# KiCad board skippy 2.kicad_pcb
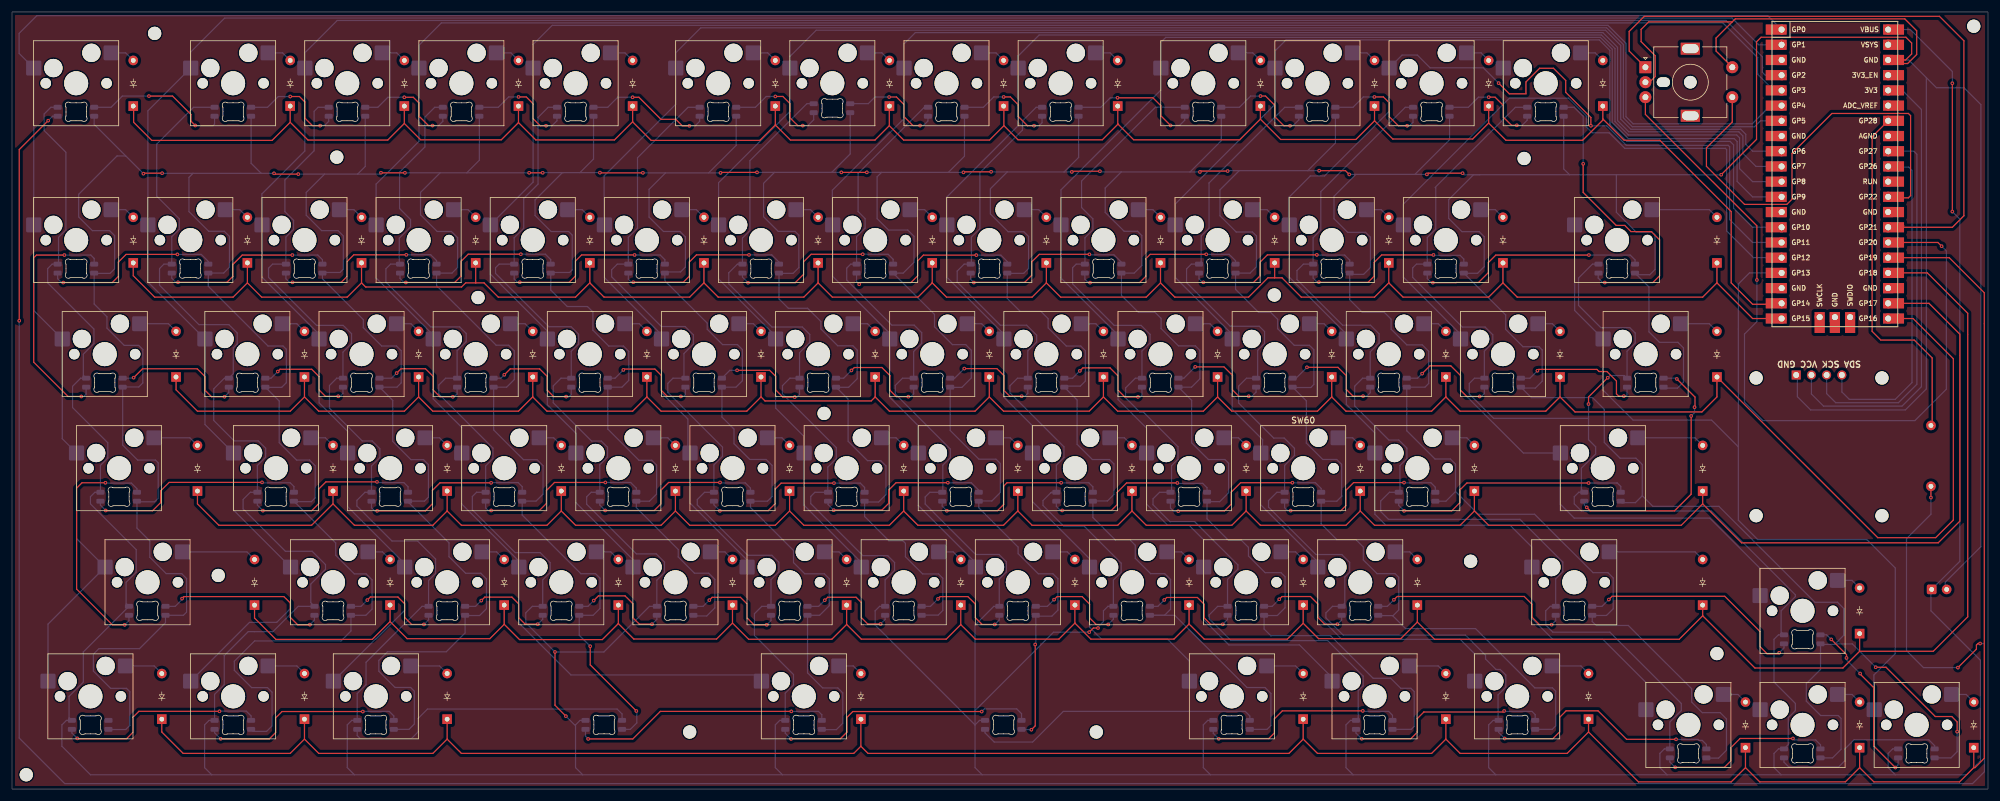
[diagram p0: board, top side]
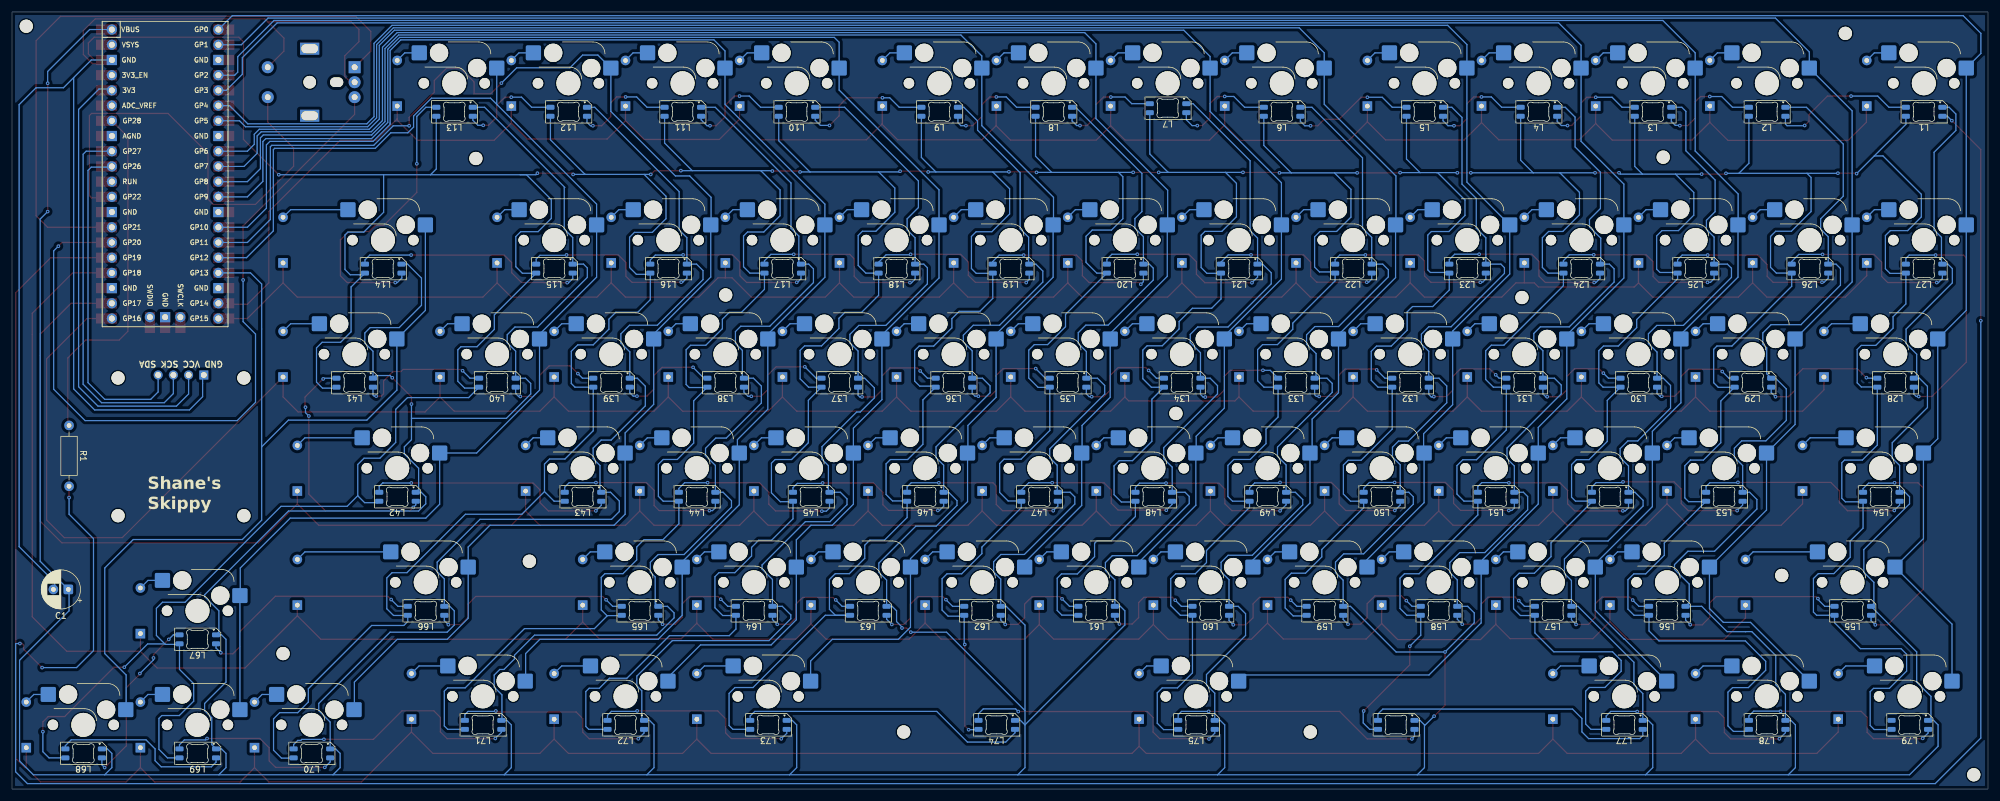
[diagram p1: board, bottom side, seen from below]

Outline 329.8 x 129.78 mm; copper layers: Top, Bottom. Coordinates in mm from the lower left corner of the outline.
Outline path: rectangle 0,129.78 329.8,0

## Placement (name value [footprint] x y rotation side)
C1  C_Polarized  [CP_Radial_D6.3mm_P2.50mm]  320.4 33.34 0 bottom
D1  1N914WT  [Diode_DO-35]  20.24 114.06 90 top
D2  1N914WT  [Diode_DO-35]  20.24 87.87 90 top
D3  1N914WT  [Diode_DO-35]  27.38 68.82 90 top
D4  1N914WT  [Diode_DO-35]  30.96 49.77 90 top
D5  1N914WT  [Diode_DO-35]  40.48 30.72 90 top
D6  1N914WT  [Diode_DO-35]  25 11.67 90 top
D7  1N914WT  [Diode_DO-35]  46.43 114.06 90 top
D8  1N914WT  [Diode_DO-35]  39.29 87.87 90 top
D9  1N914WT  [Diode_DO-35]  48.82 68.82 90 top
D10  1N914WT  [Diode_DO-35]  53.58 49.77 90 top
D11  1N914WT  [Diode_DO-35]  63.1 30.72 90 top
D12  1N914WT  [Diode_DO-35]  48.82 11.67 90 top
D13  1N914WT  [Diode_DO-35]  65.48 114.06 90 top
D14  1N914WT  [Diode_DO-35]  58.34 87.87 90 top
D15  1N914WT  [Diode_DO-35]  67.87 68.82 90 top
D16  1N914WT  [Diode_DO-35]  72.63 49.77 90 top
D17  1N914WT  [Diode_DO-35]  82.15 30.72 90 top
D18  1N914WT  [Diode_DO-35]  72.63 11.67 90 top
D19  1N914WT  [Diode_DO-35]  84.53 114.06 90 top
D20  1N914WT  [Diode_DO-35]  77.39 87.87 90 top
D21  1N914WT  [Diode_DO-35]  86.92 68.82 90 top
D22  1N914WT  [Diode_DO-35]  91.68 49.77 90 top
D23  1N914WT  [Diode_DO-35]  101.2 30.72 90 top
D24  1N914WT  [Diode_DO-35]  141.68 11.67 90 top
D25  1N914WT  [Diode_DO-35]  103.58 114.06 90 top
D26  1N914WT  [Diode_DO-35]  96.44 87.87 90 top
D27  1N914WT  [Diode_DO-35]  105.97 68.82 90 top
D28  1N914WT  [Diode_DO-35]  110.73 49.77 90 top
D29  1N914WT  [Diode_DO-35]  120.25 30.72 90 top
D30  1N914WT  [Diode_DO-35]  127.4 114.06 90 top
D31  1N914WT  [Diode_DO-35]  115.49 87.87 90 top
D32  1N914WT  [Diode_DO-35]  125.02 68.82 90 top
D33  1N914WT  [Diode_DO-35]  129.78 49.77 90 top
D34  1N914WT  [Diode_DO-35]  139.3 30.72 90 top
D35  1N914WT  [Diode_DO-35]  146.45 114.06 90 top
D36  1N914WT  [Diode_DO-35]  134.54 87.87 90 top
D37  1N914WT  [Diode_DO-35]  144.07 68.82 90 top
D38  1N914WT  [Diode_DO-35]  148.83 49.77 90 top
D39  1N914WT  [Diode_DO-35]  158.35 30.72 90 top
D40  1N914WT  [Diode_DO-35]  165.5 114.06 90 top
D41  1N914WT  [Diode_DO-35]  153.59 87.87 90 top
D42  1N914WT  [Diode_DO-35]  163.12 68.82 90 top
D43  1N914WT  [Diode_DO-35]  167.88 49.77 90 top
D44  1N914WT  [Diode_DO-35]  177.4 30.72 90 top
D45  1N914WT  [Diode_DO-35]  184.55 114.06 90 top
D46  1N914WT  [Diode_DO-35]  172.64 87.87 90 top
D47  1N914WT  [Diode_DO-35]  182.17 68.82 90 top
D48  1N914WT  [Diode_DO-35]  186.93 49.77 90 top
D49  1N914WT  [Diode_DO-35]  196.45 30.72 90 top
D50  1N914WT  [Diode_DO-35]  215.5 11.67 90 top
D51  1N914WT  [Diode_DO-35]  208.36 114.06 90 top
D52  1N914WT  [Diode_DO-35]  191.69 87.87 90 top
D53  1N914WT  [Diode_DO-35]  201.22 68.82 90 top
D54  1N914WT  [Diode_DO-35]  205.98 49.77 90 top
D55  1N914WT  [Diode_DO-35]  215.5 30.72 90 top
D56  1N914WT  [Diode_DO-35]  239.32 11.67 90 top
D57  1N914WT  [Diode_DO-35]  227.41 114.06 90 top
D58  1N914WT  [Diode_DO-35]  210.74 87.87 90 top
D59  1N914WT  [Diode_DO-35]  220.27 68.82 90 top
D60  1N914WT  [Diode_DO-35]  225.03 49.77 90 top
D61  1N914WT  [Diode_DO-35]  234.55 30.72 90 top
D62  1N914WT  [Diode_DO-35]  263.13 11.67 90 top
D63  1N914WT  [Diode_DO-35]  246.46 114.06 90 top
D64  1N914WT  [Diode_DO-35]  229.79 87.87 90 top
D65  1N914WT  [Diode_DO-35]  239.32 68.82 90 top
D66  1N914WT  [Diode_DO-35]  244.08 49.77 90 top
D67  1N914WT  [Diode_DO-35]  282.18 30.72 90 top
D68  1N914WT  [Diode_DO-35]  289.32 6.91 90 top
D69  1N914WT  [Diode_DO-35]  265.51 114.06 90 top
D70  1N914WT  [Diode_DO-35]  248.84 87.87 90 top
D71  1N914WT  [Diode_DO-35]  258.37 68.82 90 top
D72  1N914WT  [Diode_DO-35]  282.18 49.77 90 top
D73  1N914WT  [Diode_DO-35]  308.37 25.96 90 top
D74  1N914WT  [Diode_DO-35]  308.37 6.91 90 top
D75  1N914WT  [Diode_DO-35]  284.56 87.87 90 top
D76  1N914WT  [Diode_DO-35]  284.56 68.82 90 top
D77  1N914WT  [Diode_DO-35]  327.42 6.91 90 top
H1  MountingHole  [Standoff_M2x4mm]  2.38 2.38 0 top
H2  MountingHole  [Standoff_M2x4mm]  113.11 9.53 0 top
H3  MountingHole  [Standoff_M2x4mm]  180.98 9.53 180 bottom
H4  MountingHole  [Standoff_M2x4mm]  327.42 127.4 0 top
H5  MountingHole  [Standoff_M2x4mm]  23.81 126.21 0 top
H6  MountingHole  [Standoff_M2x4mm]  284.56 22.62 0 top
H7  MountingHole  [Standoff_M2x4mm]  34.43 35.67 0 top
H8  MountingHole  [Standoff_M2x4mm]  243.45 38.04 0 top
H9  MountingHole  [Standoff_M2x4mm]  252.38 105.31 0 top
H10  MountingHole  [Standoff_M2x4mm]  54.21 105.53 0 top
H11  MountingHole  [Standoff_M2x4mm]  135.54 62.73 0 top
H12  MountingHole  [Standoff_M2x4mm]  77.79 82.09 0 top
H13  MountingHole  [Standoff_M2x4mm]  210.69 82.51 0 top
J1  -  [OLED_128x64]  301.6 57.15 180 top
L1  SK6812MINI-E  [LED_SK6812MINI-E_3.2x2.8mm_P1.5mm_ReverseMount_Shane]  10.72 113.11 0 bottom
L2  SK6812MINI-E  [LED_SK6812MINI-E_3.2x2.8mm_P1.5mm_ReverseMount_Shane]  36.91 113.11 0 bottom
L3  SK6812MINI-E  [LED_SK6812MINI-E_3.2x2.8mm_P1.5mm_ReverseMount_Shane]  55.96 113.11 0 bottom
L4  SK6812MINI-E  [LED_SK6812MINI-E_3.2x2.8mm_P1.5mm_ReverseMount_Shane]  75.01 113.11 0 bottom
L5  SK6812MINI-E  [LED_SK6812MINI-E_3.2x2.8mm_P1.5mm_ReverseMount_Shane]  94.06 113.11 0 bottom
L6  SK6812MINI-E  [LED_SK6812MINI-E_3.2x2.8mm_P1.5mm_ReverseMount_Shane]  117.87 113.11 0 bottom
L7  SK6812MINI-E  [LED_SK6812MINI-E_3.2x2.8mm_P1.5mm_ReverseMount_Shane]  136.9 113.71 0 bottom
L8  SK6812MINI-E  [LED_SK6812MINI-E_3.2x2.8mm_P1.5mm_ReverseMount_Shane]  155.97 113.11 0 bottom
L9  SK6812MINI-E  [LED_SK6812MINI-E_3.2x2.8mm_P1.5mm_ReverseMount_Shane]  175.02 113.11 0 bottom
L10  SK6812MINI-E  [LED_SK6812MINI-E_3.2x2.8mm_P1.5mm_ReverseMount_Shane]  198.83 113.11 0 bottom
L11  SK6812MINI-E  [LED_SK6812MINI-E_3.2x2.8mm_P1.5mm_ReverseMount_Shane]  217.88 113.11 0 bottom
L12  SK6812MINI-E  [LED_SK6812MINI-E_3.2x2.8mm_P1.5mm_ReverseMount_Shane]  236.93 113.11 0 bottom
L13  SK6812MINI-E  [LED_SK6812MINI-E_3.2x2.8mm_P1.5mm_ReverseMount_Shane]  255.98 113.11 0 bottom
L14  SK6812MINI-E  [LED_SK6812MINI-E_3.2x2.8mm_P1.5mm_ReverseMount_Shane]  267.89 86.92 0 bottom
L15  SK6812MINI-E  [LED_SK6812MINI-E_3.2x2.8mm_P1.5mm_ReverseMount_Shane]  239.32 86.92 0 bottom
L16  SK6812MINI-E  [LED_SK6812MINI-E_3.2x2.8mm_P1.5mm_ReverseMount_Shane]  220.27 86.92 0 bottom
L17  SK6812MINI-E  [LED_SK6812MINI-E_3.2x2.8mm_P1.5mm_ReverseMount_Shane]  201.22 86.92 0 bottom
L18  SK6812MINI-E  [LED_SK6812MINI-E_3.2x2.8mm_P1.5mm_ReverseMount_Shane]  182.17 86.92 0 bottom
L19  SK6812MINI-E  [LED_SK6812MINI-E_3.2x2.8mm_P1.5mm_ReverseMount_Shane]  163.12 86.92 0 bottom
L20  SK6812MINI-E  [LED_SK6812MINI-E_3.2x2.8mm_P1.5mm_ReverseMount_Shane]  144.07 86.92 0 bottom
L21  SK6812MINI-E  [LED_SK6812MINI-E_3.2x2.8mm_P1.5mm_ReverseMount_Shane]  125.02 86.92 0 bottom
L22  SK6812MINI-E  [LED_SK6812MINI-E_3.2x2.8mm_P1.5mm_ReverseMount_Shane]  105.97 86.92 0 bottom
L23  SK6812MINI-E  [LED_SK6812MINI-E_3.2x2.8mm_P1.5mm_ReverseMount_Shane]  86.92 86.92 0 bottom
L24  SK6812MINI-E  [LED_SK6812MINI-E_3.2x2.8mm_P1.5mm_ReverseMount_Shane]  67.87 86.92 0 bottom
L25  SK6812MINI-E  [LED_SK6812MINI-E_3.2x2.8mm_P1.5mm_ReverseMount_Shane]  48.82 86.92 0 bottom
L26  SK6812MINI-E  [LED_SK6812MINI-E_3.2x2.8mm_P1.5mm_ReverseMount_Shane]  29.77 86.92 0 bottom
L27  SK6812MINI-E  [LED_SK6812MINI-E_3.2x2.8mm_P1.5mm_ReverseMount_Shane]  10.72 86.92 0 bottom
L28  SK6812MINI-E  [LED_SK6812MINI-E_3.2x2.8mm_P1.5mm_ReverseMount_Shane]  15.48 67.87 0 bottom
L29  SK6812MINI-E  [LED_SK6812MINI-E_3.2x2.8mm_P1.5mm_ReverseMount_Shane]  39.29 67.87 0 bottom
L30  SK6812MINI-E  [LED_SK6812MINI-E_3.2x2.8mm_P1.5mm_ReverseMount_Shane]  58.34 67.87 0 bottom
L31  SK6812MINI-E  [LED_SK6812MINI-E_3.2x2.8mm_P1.5mm_ReverseMount_Shane]  77.39 67.87 0 bottom
L32  SK6812MINI-E  [LED_SK6812MINI-E_3.2x2.8mm_P1.5mm_ReverseMount_Shane]  96.44 67.87 0 bottom
L33  SK6812MINI-E  [LED_SK6812MINI-E_3.2x2.8mm_P1.5mm_ReverseMount_Shane]  115.49 67.87 0 bottom
L34  SK6812MINI-E  [LED_SK6812MINI-E_3.2x2.8mm_P1.5mm_ReverseMount_Shane]  134.54 67.87 0 bottom
L35  SK6812MINI-E  [LED_SK6812MINI-E_3.2x2.8mm_P1.5mm_ReverseMount_Shane]  153.59 67.87 0 bottom
L36  SK6812MINI-E  [LED_SK6812MINI-E_3.2x2.8mm_P1.5mm_ReverseMount_Shane]  172.64 67.87 0 bottom
L37  SK6812MINI-E  [LED_SK6812MINI-E_3.2x2.8mm_P1.5mm_ReverseMount_Shane]  191.69 67.87 0 bottom
L38  SK6812MINI-E  [LED_SK6812MINI-E_3.2x2.8mm_P1.5mm_ReverseMount_Shane]  210.74 67.87 0 bottom
L39  SK6812MINI-E  [LED_SK6812MINI-E_3.2x2.8mm_P1.5mm_ReverseMount_Shane]  229.79 67.87 0 bottom
L40  SK6812MINI-E  [LED_SK6812MINI-E_3.2x2.8mm_P1.5mm_ReverseMount_Shane]  248.84 67.87 0 bottom
L41  SK6812MINI-E  [LED_SK6812MINI-E_3.2x2.8mm_P1.5mm_ReverseMount_Shane]  272.65 67.87 0 bottom
L42  SK6812MINI-E  [LED_SK6812MINI-E_3.2x2.8mm_P1.5mm_ReverseMount_Shane]  265.51 48.82 0 bottom
L43  SK6812MINI-E  [LED_SK6812MINI-E_3.2x2.8mm_P1.5mm_ReverseMount_Shane]  234.55 48.82 0 bottom
L44  SK6812MINI-E  [LED_SK6812MINI-E_3.2x2.8mm_P1.5mm_ReverseMount_Shane]  215.5 48.82 0 bottom
L45  SK6812MINI-E  [LED_SK6812MINI-E_3.2x2.8mm_P1.5mm_ReverseMount_Shane]  196.45 48.82 0 bottom
L46  SK6812MINI-E  [LED_SK6812MINI-E_3.2x2.8mm_P1.5mm_ReverseMount_Shane]  177.4 48.82 0 bottom
L47  SK6812MINI-E  [LED_SK6812MINI-E_3.2x2.8mm_P1.5mm_ReverseMount_Shane]  158.35 48.82 0 bottom
L48  SK6812MINI-E  [LED_SK6812MINI-E_3.2x2.8mm_P1.5mm_ReverseMount_Shane]  139.3 48.82 0 bottom
L49  SK6812MINI-E  [LED_SK6812MINI-E_3.2x2.8mm_P1.5mm_ReverseMount_Shane]  120.25 48.82 0 bottom
L50  SK6812MINI-E  [LED_SK6812MINI-E_3.2x2.8mm_P1.5mm_ReverseMount_Shane]  101.2 48.82 0 bottom
L51  SK6812MINI-E  [LED_SK6812MINI-E_3.2x2.8mm_P1.5mm_ReverseMount_Shane]  82.15 48.82 0 bottom
L52  SK6812MINI-E  [LED_SK6812MINI-E_3.2x2.8mm_P1.5mm_ReverseMount_Shane]  63.1 48.82 0 bottom
L53  SK6812MINI-E  [LED_SK6812MINI-E_3.2x2.8mm_P1.5mm_ReverseMount_Shane]  44.05 48.82 0 bottom
L54  SK6812MINI-E  [LED_SK6812MINI-E_3.2x2.8mm_P1.5mm_ReverseMount_Shane]  17.86 48.82 0 bottom
L55  SK6812MINI-E  [LED_SK6812MINI-E_3.2x2.8mm_P1.5mm_ReverseMount_Shane]  22.62 29.77 0 bottom
L56  SK6812MINI-E  [LED_SK6812MINI-E_3.2x2.8mm_P1.5mm_ReverseMount_Shane]  53.58 29.77 0 bottom
L57  SK6812MINI-E  [LED_SK6812MINI-E_3.2x2.8mm_P1.5mm_ReverseMount_Shane]  72.63 29.77 0 bottom
L58  SK6812MINI-E  [LED_SK6812MINI-E_3.2x2.8mm_P1.5mm_ReverseMount_Shane]  91.68 29.77 0 bottom
L59  SK6812MINI-E  [LED_SK6812MINI-E_3.2x2.8mm_P1.5mm_ReverseMount_Shane]  110.73 29.77 0 bottom
L60  SK6812MINI-E  [LED_SK6812MINI-E_3.2x2.8mm_P1.5mm_ReverseMount_Shane]  129.78 29.77 0 bottom
L61  SK6812MINI-E  [LED_SK6812MINI-E_3.2x2.8mm_P1.5mm_ReverseMount_Shane]  148.83 29.77 0 bottom
L62  SK6812MINI-E  [LED_SK6812MINI-E_3.2x2.8mm_P1.5mm_ReverseMount_Shane]  167.88 29.77 0 bottom
L63  SK6812MINI-E  [LED_SK6812MINI-E_3.2x2.8mm_P1.5mm_ReverseMount_Shane]  186.93 29.77 0 bottom
L64  SK6812MINI-E  [LED_SK6812MINI-E_3.2x2.8mm_P1.5mm_ReverseMount_Shane]  205.98 29.77 0 bottom
L65  SK6812MINI-E  [LED_SK6812MINI-E_3.2x2.8mm_P1.5mm_ReverseMount_Shane]  225.03 29.77 0 bottom
L66  SK6812MINI-E  [LED_SK6812MINI-E_3.2x2.8mm_P1.5mm_ReverseMount_Shane]  260.75 29.77 0 bottom
L67  SK6812MINI-E  [LED_SK6812MINI-E_3.2x2.8mm_P1.5mm_ReverseMount_Shane]  298.85 25 0 bottom
L68  SK6812MINI-E  [LED_SK6812MINI-E_3.2x2.8mm_P1.5mm_ReverseMount_Shane]  317.9 5.95 0 bottom
L69  SK6812MINI-E  [LED_SK6812MINI-E_3.2x2.8mm_P1.5mm_ReverseMount_Shane]  298.85 5.95 0 bottom
L70  SK6812MINI-E  [LED_SK6812MINI-E_3.2x2.8mm_P1.5mm_ReverseMount_Shane]  279.8 5.95 0 bottom
L71  SK6812MINI-E  [LED_SK6812MINI-E_3.2x2.8mm_P1.5mm_ReverseMount_Shane]  251.22 10.72 0 bottom
L72  SK6812MINI-E  [LED_SK6812MINI-E_3.2x2.8mm_P1.5mm_ReverseMount_Shane]  227.41 10.72 0 bottom
L73  SK6812MINI-E  [LED_SK6812MINI-E_3.2x2.8mm_P1.5mm_ReverseMount_Shane]  203.6 10.72 0 bottom
L74  SK6812MINI-E  [LED_SK6812MINI-E_3.2x2.8mm_P1.5mm_ReverseMount_Shane]  165.5 10.72 0 bottom
L75  SK6812MINI-E  [LED_SK6812MINI-E_3.2x2.8mm_P1.5mm_ReverseMount_Shane]  132.16 10.72 0 bottom
L76  SK6812MINI-E  [LED_SK6812MINI-E_3.2x2.8mm_P1.5mm_ReverseMount_Shane]  98.82 10.72 0 bottom
L77  SK6812MINI-E  [LED_SK6812MINI-E_3.2x2.8mm_P1.5mm_ReverseMount_Shane]  60.72 10.72 0 bottom
L78  SK6812MINI-E  [LED_SK6812MINI-E_3.2x2.8mm_P1.5mm_ReverseMount_Shane]  36.91 10.72 0 bottom
L79  SK6812MINI-E  [LED_SK6812MINI-E_3.2x2.8mm_P1.5mm_ReverseMount_Shane]  13.1 10.72 0 bottom
R1  R  [R_Axial_DIN0207_L6.3mm_D2.5mm_P10.16mm_Horizontal]  320.28 60.72 270 bottom
SW1  SW_Push  [Hotswap_MX_1.00u]  10.72 117.87 0 top
SW2  SW_Push  [Hotswap_MX_1.00u]  10.72 91.68 0 top
SW3  SW_Push  [Hotswap_MX_1.50u]  15.48 72.63 0 top
SW4  SW_Push  [Hotswap_MX_1.75u]  17.86 53.58 0 top
SW5  SW_Push  [Hotswap_MX_2.25u]  22.62 34.53 0 top
SW6  SW_Push  [Hotswap_MX_1.25u]  13.1 15.48 0 top
SW7  SW_Push  [Hotswap_MX_1.00u]  36.91 117.87 0 top
SW8  SW_Push  [Hotswap_MX_1.00u]  29.77 91.68 0 top
SW9  SW_Push  [Hotswap_MX_1.00u]  39.29 72.63 0 top
SW10  SW_Push  [Hotswap_MX_1.00u]  44.05 53.58 0 top
SW11  SW_Push  [Hotswap_MX_1.00u]  53.58 34.53 0 top
SW12  SW_Push  [Hotswap_MX_1.25u]  36.91 15.48 0 top
SW13  SW_Push  [Hotswap_MX_1.00u]  55.96 117.87 0 top
SW14  SW_Push  [Hotswap_MX_1.00u]  48.82 91.68 0 top
SW15  SW_Push  [Hotswap_MX_1.00u]  58.34 72.63 0 top
SW16  SW_Push  [Hotswap_MX_1.00u]  63.1 53.58 0 top
SW17  SW_Push  [Hotswap_MX_1.00u]  72.63 34.53 0 top
SW18  SW_Push  [Hotswap_MX_1.25u]  60.72 15.48 0 top
SW19  SW_Push  [Hotswap_MX_1.00u]  75.01 117.87 0 top
SW20  SW_Push  [Hotswap_MX_1.00u]  67.87 91.68 0 top
SW21  SW_Push  [Hotswap_MX_1.00u]  77.39 72.63 0 top
SW22  SW_Push  [Hotswap_MX_1.00u]  82.15 53.58 0 top
SW23  SW_Push  [Hotswap_MX_1.00u]  91.68 34.53 0 top
SW24  SW_Push  [Hotswap_MX_6.25u]  132.16 15.48 0 top
SW25  SW_Push  [Hotswap_MX_1.00u]  94.06 117.87 0 top
SW26  SW_Push  [Hotswap_MX_1.00u]  86.92 91.68 0 top
SW27  SW_Push  [Hotswap_MX_1.00u]  96.44 72.63 0 top
SW28  SW_Push  [Hotswap_MX_1.00u]  101.2 53.58 0 top
SW29  SW_Push  [Hotswap_MX_1.00u]  110.73 34.53 0 top
SW30  SW_Push  [Hotswap_MX_1.00u]  117.87 117.87 0 top
SW31  SW_Push  [Hotswap_MX_1.00u]  105.97 91.68 0 top
SW32  SW_Push  [Hotswap_MX_1.00u]  115.49 72.63 0 top
SW33  SW_Push  [Hotswap_MX_1.00u]  120.25 53.58 0 top
SW34  SW_Push  [Hotswap_MX_1.00u]  129.78 34.53 0 top
SW35  SW_Push  [Hotswap_MX_1.00u]  136.92 117.87 0 top
SW36  SW_Push  [Hotswap_MX_1.00u]  125.02 91.68 0 top
SW37  SW_Push  [Hotswap_MX_1.00u]  134.54 72.63 0 top
SW38  SW_Push  [Hotswap_MX_1.00u]  139.3 53.58 0 top
SW39  SW_Push  [Hotswap_MX_1.00u]  148.83 34.53 0 top
SW40  SW_Push  [Hotswap_MX_1.00u]  155.97 117.87 0 top
SW41  SW_Push  [Hotswap_MX_1.00u]  144.07 91.68 0 top
SW42  SW_Push  [Hotswap_MX_1.00u]  153.59 72.63 0 top
SW43  SW_Push  [Hotswap_MX_1.00u]  158.35 53.58 0 top
SW44  SW_Push  [Hotswap_MX_1.00u]  167.88 34.53 0 top
SW45  SW_Push  [Hotswap_MX_1.00u]  175.02 117.87 0 top
SW46  SW_Push  [Hotswap_MX_1.00u]  163.12 91.68 0 top
SW47  SW_Push  [Hotswap_MX_1.00u]  172.64 72.63 0 top
SW48  SW_Push  [Hotswap_MX_1.00u]  177.4 53.58 0 top
SW49  SW_Push  [Hotswap_MX_1.00u]  186.93 34.53 0 top
SW50  SW_Push  [Hotswap_MX_1.25u]  203.6 15.48 0 top
SW51  SW_Push  [Hotswap_MX_1.00u]  198.83 117.87 0 top
SW52  SW_Push  [Hotswap_MX_1.00u]  182.17 91.68 0 top
SW53  SW_Push  [Hotswap_MX_1.00u]  191.69 72.63 0 top
SW54  SW_Push  [Hotswap_MX_1.00u]  196.45 53.58 0 top
SW55  SW_Push  [Hotswap_MX_1.00u]  205.98 34.53 0 top
SW56  SW_Push  [Hotswap_MX_1.25u]  227.41 15.48 0 top
SW57  SW_Push  [Hotswap_MX_1.00u]  217.88 117.87 0 top
SW58  SW_Push  [Hotswap_MX_1.00u]  201.22 91.68 0 top
SW59  SW_Push  [Hotswap_MX_1.00u]  210.74 72.63 0 top
SW60  SW_Push  [Hotswap_MX_1.00u]  215.5 53.58 0 top
SW61  SW_Push  [Hotswap_MX_1.00u]  225.03 34.53 0 top
SW62  SW_Push  [Hotswap_MX_1.25u]  251.22 15.48 0 top
SW63  SW_Push  [Hotswap_MX_1.00u]  236.93 117.87 0 top
SW64  SW_Push  [Hotswap_MX_1.00u]  220.27 91.68 0 top
SW65  SW_Push  [Hotswap_MX_1.00u]  229.79 72.63 0 top
SW66  SW_Push  [Hotswap_MX_1.00u]  234.55 53.58 0 top
SW67  SW_Push  [Hotswap_MX_2.75u]  260.75 34.53 0 top
SW68  SW_Push  [Hotswap_MX_1.00u]  279.8 10.72 0 top
SW69  SW_Push  [Hotswap_MX_1.00u]  255.98 117.87 0 top
SW70  SW_Push  [Hotswap_MX_1.00u]  239.32 91.68 0 top
SW71  SW_Push  [Hotswap_MX_1.00u]  248.84 72.63 0 top
SW72  SW_Push  [Hotswap_MX_2.25u]  265.51 53.58 0 top
SW73  SW_Push  [Hotswap_MX_1.00u]  298.85 29.77 0 top
SW74  SW_Push  [Hotswap_MX_1.00u]  298.85 10.72 0 top
SW75  SW_Push  [Hotswap_MX_2.00u]  267.89 91.68 0 top
SW76  SW_Push  [Hotswap_MX_1.50u]  272.65 72.63 0 top
SW77  SW_Push  [Hotswap_MX_1.00u]  317.9 10.72 0 top
SW78  RotaryEncoder_Switch  [RotaryEncoder_Alps_EC11E-Switch_Vertical_H20mm_MountingHoles]  272.62 120.55 0 top
U1  -  [Raspberry_Pi_Pico]  304.24 102.71 0 top

## Library data of the parts
C1 = -: Description: Polarized capacitor; KiLib_Generator: capacitor/THT/other; ki_fp_filters: CP_*
D1-D77 = -: Datasheet: http://www.mouser.com/ds/2/149/1N4148WT-461550.pdf; Description: 75V 0.15A Fast switching Diode, SOD-523; Sim.Device: D; Sim.Pins: 1=K 2=A; ki_fp_filters: D*SOD?523*
H1-H13 = -: Description: Mounting Hole without connection; ki_fp_filters: MountingHole*
L1-L79 = -: Datasheet: https://www.lcsc.com/datasheet/C5149201.pdf; Description: RGB LED with integrated controller; ki_fp_filters: LED?SK6812MINI?E?3.2x2.8mm?P1.5mm*
R1 = -: Description: Resistor; KiLib_Generator: resistor/THT; ki_fp_filters: R_*
SW1-SW77 = -: Description: Push button switch, generic, two pins
SW78 = -: Description: Rotary encoder, dual channel, incremental quadrate outputs, with switch; ki_fp_filters: RotaryEncoder*Switch*

## Footprints (pads in the part's own frame, mm; a bottom-side part is the same pattern mirrored in y, then rotated)
CP_Radial_D6.3mm_P2.50mm
  rrect 1.6x1.6 hole 0.8: 1(0,0)
  round 1.6 hole 0.8: 2(2.5,0)
Diode_DO-35
  rect 1.6x1.6 hole 0.8: 1(0,0)
  oval 1.6x1.6 hole 0.8: 2(7.62,0)
Hotswap_MX_1.00u
  round 1.75 hole 1.75 unplated: (-5.08,0) (5.08,0)
  round 3.05 hole 3.05 unplated: (-3.81,2.54) (2.54,5.08)
  round 4 hole 4 unplated: (0,0)
  rrect 2.55x2.5 smd far side: 1(-7.085,2.54) 2(5.842,5.08)
Hotswap_MX_1.25u
  round 1.75 hole 1.75 unplated: (-5.08,0) (5.08,0)
  round 3.05 hole 3.05 unplated: (-3.81,2.54) (2.54,5.08)
  round 4 hole 4 unplated: (0,0)
  rrect 2.55x2.5 smd far side: 1(-7.085,2.54) 2(5.842,5.08)
Hotswap_MX_1.50u
  round 1.75 hole 1.75 unplated: (-5.08,0) (5.08,0)
  round 3.05 hole 3.05 unplated: (-3.81,2.54) (2.54,5.08)
  round 4 hole 4 unplated: (0,0)
  rrect 2.55x2.5 smd far side: 1(-7.085,2.54) 2(5.842,5.08)
Hotswap_MX_1.75u
  round 1.75 hole 1.75 unplated: (-5.08,0) (5.08,0)
  round 3.05 hole 3.05 unplated: (-3.81,2.54) (2.54,5.08)
  round 4 hole 4 unplated: (0,0)
  rrect 2.55x2.5 smd far side: 1(-7.085,2.54) 2(5.842,5.08)
Hotswap_MX_2.00u
  round 1.75 hole 1.75 unplated: (-5.08,0) (5.08,0)
  round 3.05 hole 3.05 unplated: (-3.81,2.54) (2.54,5.08)
  round 4 hole 4 unplated: (0,0)
  rrect 2.55x2.5 smd far side: 1(-7.085,2.54) 2(5.842,5.08)
Hotswap_MX_2.25u
  round 1.75 hole 1.75 unplated: (-5.08,0) (5.08,0)
  round 3.05 hole 3.05 unplated: (-3.81,2.54) (2.54,5.08)
  round 4 hole 4 unplated: (0,0)
  rrect 2.55x2.5 smd far side: 1(-7.085,2.54) 2(5.842,5.08)
Hotswap_MX_2.75u
  round 1.75 hole 1.75 unplated: (-5.08,0) (5.08,0)
  round 3.05 hole 3.05 unplated: (-3.81,2.54) (2.54,5.08)
  round 4 hole 4 unplated: (0,0)
  rrect 2.55x2.5 smd far side: 1(-7.085,2.54) 2(5.842,5.08)
Hotswap_MX_6.25u
  round 1.75 hole 1.75 unplated: (-5.08,0) (5.08,0)
  round 3.05 hole 3.05 unplated: (-3.81,2.54) (2.54,5.08)
  round 4 hole 4 unplated: (0,0)
  rrect 2.55x2.5 smd far side: 1(-7.085,2.54) 2(5.842,5.08)
LED_SK6812MINI-E_3.2x2.8mm_P1.5mm_ReverseMount_Shane
  rrect 1.35x0.82 smd: 1(-3.1,-0.75) 2(-3.1,0.75) 3(3,0.75) 4(3,-0.75)
OLED_128x64
  round 2.2 hole 2.2 unplated: (-10.504,11.5) (-10.504,-11.5) (10.5,11.5) (10.5,-11.5)
  rect 1.508x1.508 hole 1: 1(3.81,-12)
  round 1.508 hole 1: 2(1.27,-12) 3(-1.27,-12) 4(-3.81,-12)
R_Axial_DIN0207_L6.3mm_D2.5mm_P10.16mm_Horizontal
  round 1.6 hole 0.8: 1(0,0) 2(10.16,0)
Raspberry_Pi_Pico
  oval 1.7x1.7 hole 1.02: 1(-8.89,24.13) 2(-8.89,21.59) 4(-8.89,16.51) 5(-8.89,13.97) 6(-8.89,11.43) 7(-8.89,8.89) 9(-8.89,3.81) 10(-8.89,1.27) 11(-8.89,-1.27) 12(-8.89,-3.81) 14(-8.89,-8.89) 15(-8.89,-11.43) 16(-8.89,-13.97) 17(-8.89,-16.51) 19(-8.89,-21.59) 20(-8.89,-24.13) 21(8.89,-24.13) 22(8.89,-21.59) 24(8.89,-16.51) 25(8.89,-13.97) 26(8.89,-11.43) 27(8.89,-8.89) 29(8.89,-3.81) 30(8.89,-1.27) 31(8.89,1.27) 32(8.89,3.81) 34(8.89,8.89) 35(8.89,11.43) 36(8.89,13.97) 37(8.89,16.51) 39(8.89,21.59) 40(8.89,24.13) 41(-2.54,-23.9) 43(2.54,-23.9)
  rect 3.5x1.7 smd: 1(-8.89,24.13) 2(-8.89,21.59) 3(-8.89,19.05) 4(-8.89,16.51) 5(-8.89,13.97) 6(-8.89,11.43) 7(-8.89,8.89) 8(-8.89,6.35) 9(-8.89,3.81) 10(-8.89,1.27) 11(-8.89,-1.27) 12(-8.89,-3.81) 13(-8.89,-6.35) 14(-8.89,-8.89) 15(-8.89,-11.43) 16(-8.89,-13.97) 17(-8.89,-16.51) 18(-8.89,-19.05) 19(-8.89,-21.59) 20(-8.89,-24.13) 21(8.89,-24.13) 22(8.89,-21.59) 23(8.89,-19.05) 24(8.89,-16.51) 25(8.89,-13.97) 26(8.89,-11.43) 27(8.89,-8.89) 28(8.89,-6.35) 29(8.89,-3.81) 30(8.89,-1.27) 31(8.89,1.27) 32(8.89,3.81) 33(8.89,6.35) 34(8.89,8.89) 35(8.89,11.43) 36(8.89,13.97) 37(8.89,16.51) 38(8.89,19.05) 39(8.89,21.59) 40(8.89,24.13)
  rect 1.7x1.7 hole 1.02: 3(-8.89,19.05) 8(-8.89,6.35) 13(-8.89,-6.35) 18(-8.89,-19.05) 23(8.89,-19.05) 28(8.89,-6.35) 33(8.89,6.35) 38(8.89,19.05) 42(0,-23.9)
  rect 1.7x3.5 smd: 41(-2.54,-23.9) 42(0,-23.9) 43(2.54,-23.9)
RotaryEncoder_Alps_EC11E-Switch_Vertical_H20mm_MountingHoles
  oval 2.2x1.6 hole 2.2x1.6 unplated: (3,-2.5)
  round 2.1 hole 2.1 unplated: (7.5,-2.5)
  rect 2x2 hole 1: A(0,0)
  round 2 hole 1: B(0,-5) C(0,-2.5) S1(14.5,-5) S2(14.5,0)
  rect 3.2x2 hole 2.8x1.5: MP(7.5,3.1) MP(7.5,-8.1)
Standoff_M2x4mm
  round 2.2 hole 2.2 unplated: (0,0)
